# Altium PCB CoinCraftA1.PcbDoc (part 7 of 7)
Units mm, origin at the board's own origin, x right, y up, seen from the top; angles counter-clockwise.
Board outline 90.25 x 131.5 mm, 4 copper layers (Top Layer, Mid-Top Layer, Mid-Bottom Layer, Bottom Layer); 807 components, 132 nets, 2141 pads, 3703 vias.
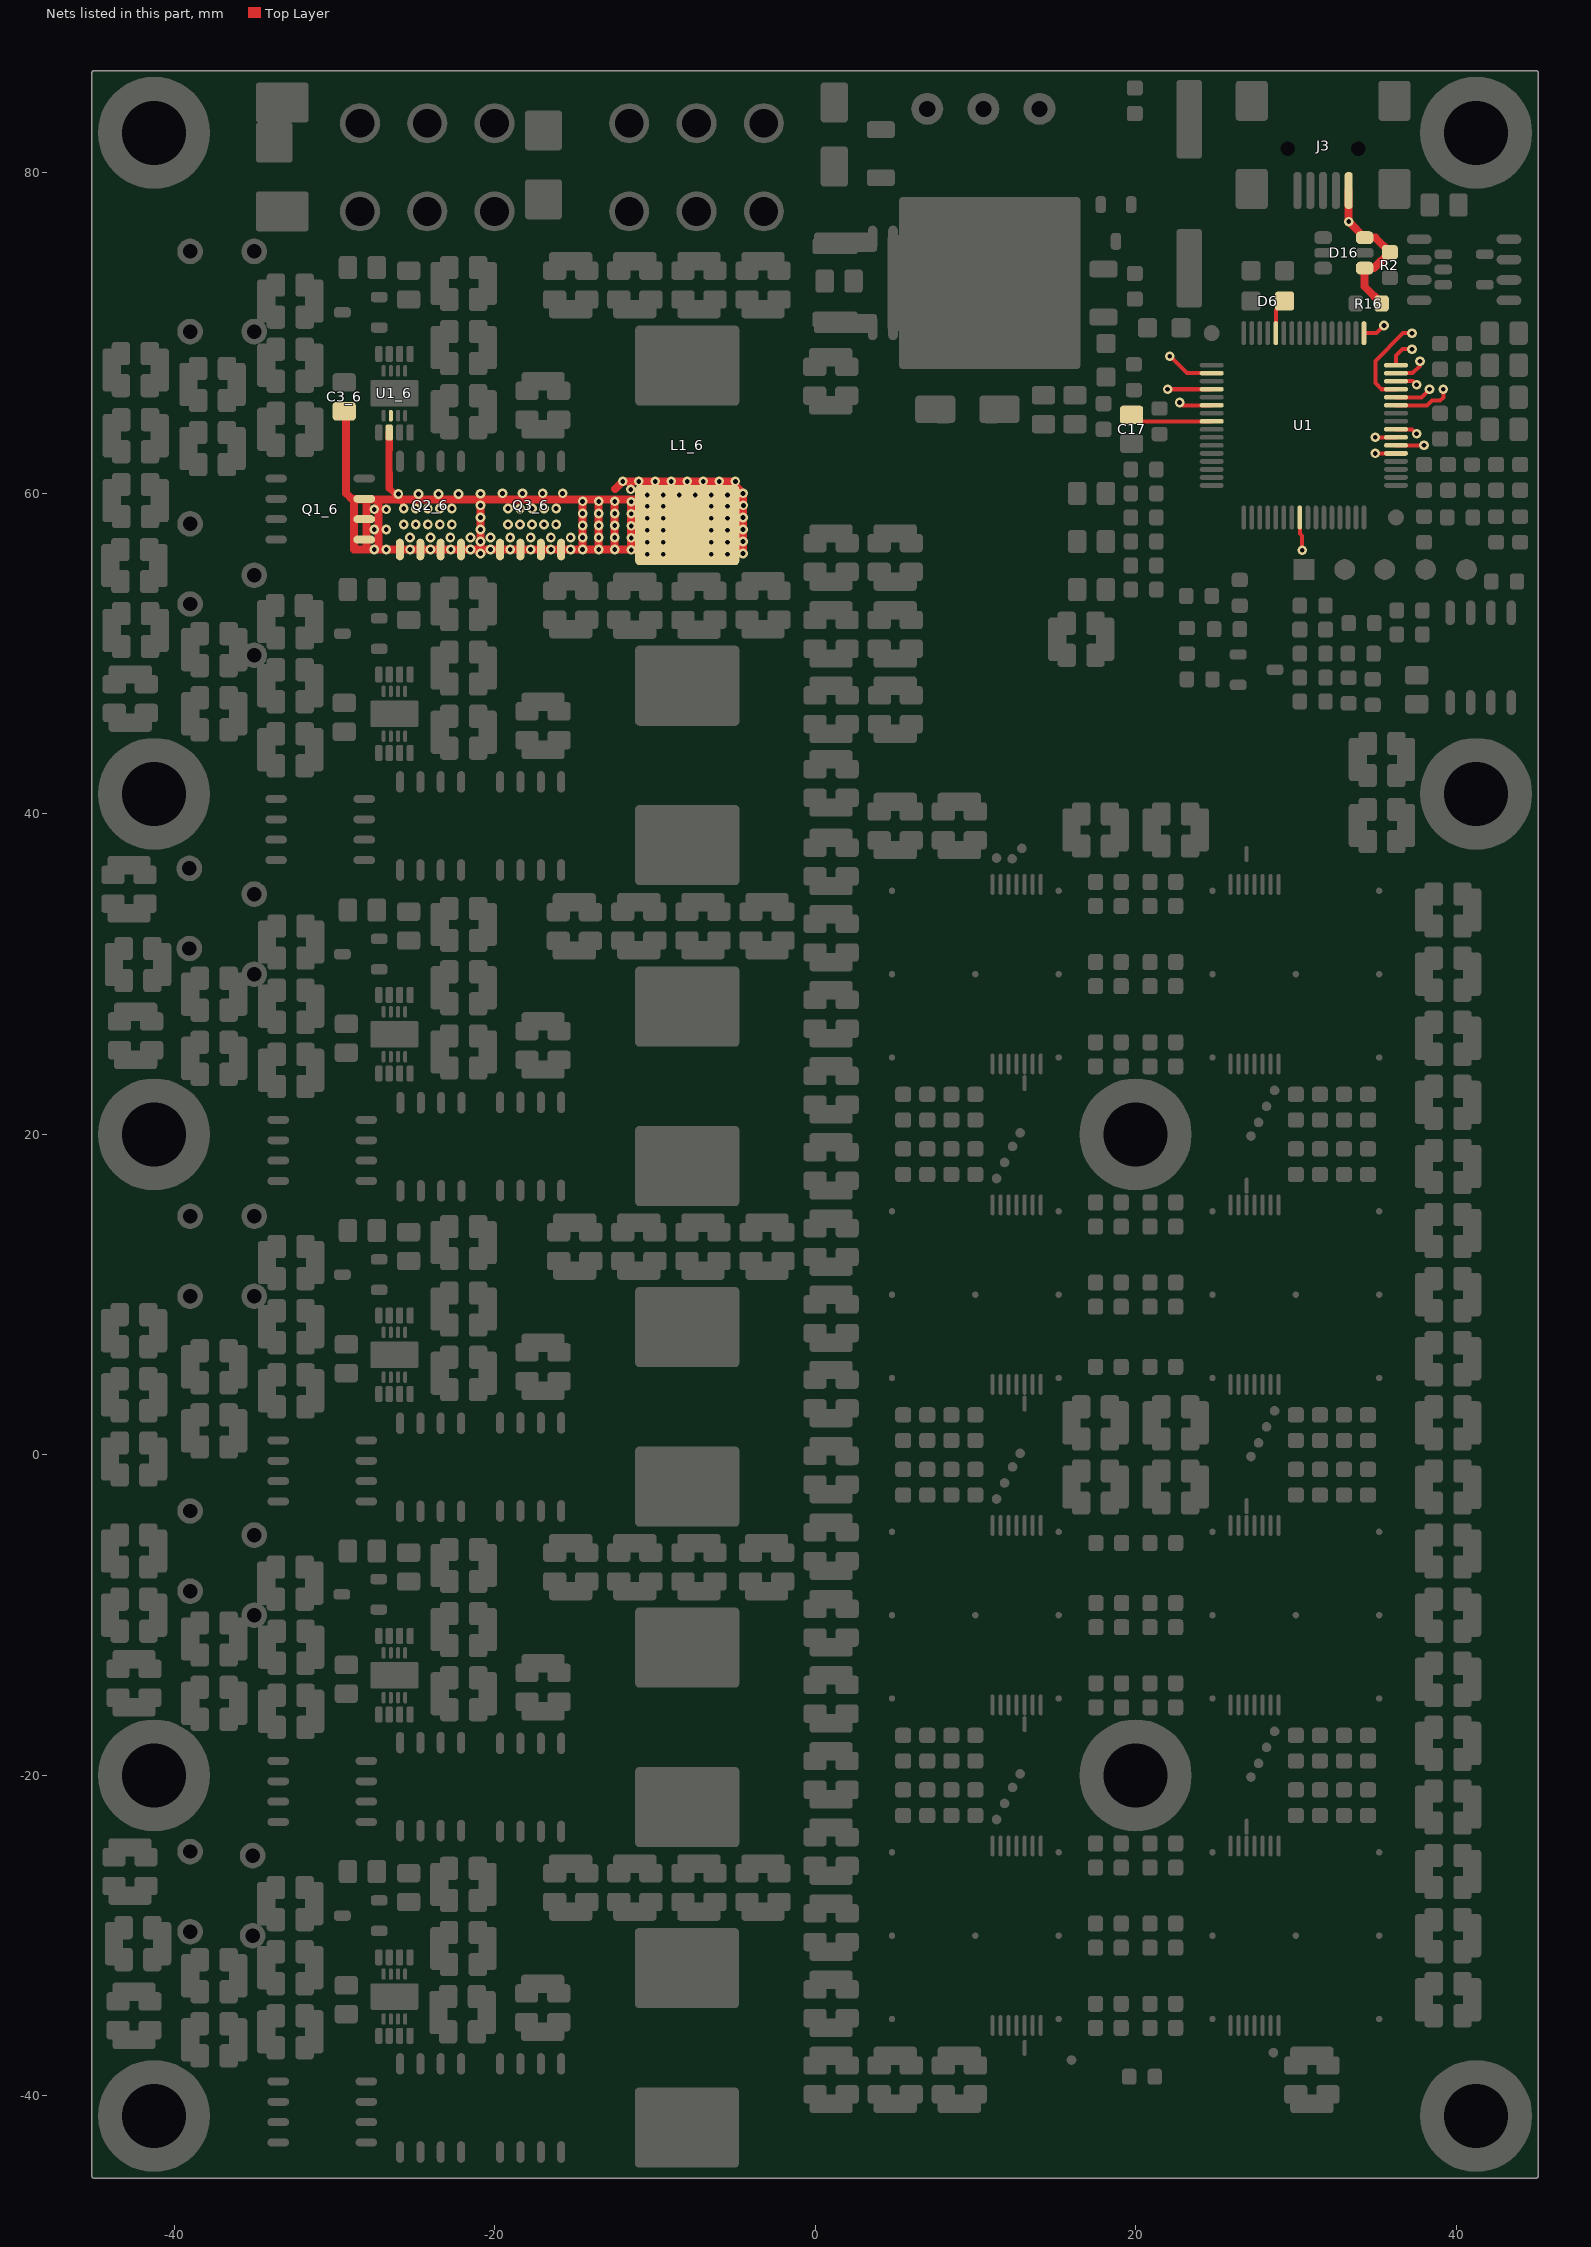
[diagram p9: the nets of this part, all layers, seen from the top]

## Via types
v1: diameter 0.6, hole 0.3, Top Layer to Bottom Layer, tented both sides, 3703 vias

## Nets (pads, with @x,y where several pads share a name; then routed paths per layer and width w, separated by ;. In a path a pad name is that pad's centre, name@x,y a point inside that pad or via, vN(x,y) a via of type N, cw(c..) or ccw(c..) an arc to the next point about the centre after c; other vN are vias at no path point) (continued)
SWN6: C3_6.2 L1_6.1 Q1_6.1 Q1_6.2 Q1_6.3 Q2_6.5 Q2_6.6 Q2_6.7 Q2_6.8 Q3_6.5 Q3_6.6 Q3_6.7 Q3_6.8 U1_6.2 | length 119.1
  Top Layer w0.4: -26.575,60.325 -25.75,59.5 ; -25.94,59.635 -25.755,59.45
  Top Layer w0.45: C3_6.2@-29.382,65.125 -29.257,65 C3_6.2@-29.25,64.993 ; -26.575,60.325 -26.575,61.29 -26.58,61.295 -26.58,62.705 -26.575,62.71 U1_6.2@-26.575,63.8
  Top Layer w0.5: C3_6.2@-29.257,65 -29.257,60.007 -28.91,59.66 Q1_6.3@-28.132,59.66 ; v1@-27.255,56.655 -27.255,59.635 ; -12.475,60.275 v1(-12,60.75) v1(-9.975,60.75) v1(-8.975,60.75) v1(-7.975,60.75) v1(-6.975,60.75) v1(-5.975,60.75) -5.25,60.75 v1(-4.5,60) v1(-4.5,58.5) v1(-4.5,57.75) v1(-4.5,57) v1(-4.5,56.25) L1_6.1@-6.2,56.25 ; v1@-11.505,56.5 v1(-12.505,56.5) ; v1@-11.505,59.635 v1@-12.505,59.635 ; v1(-10.475,56.2) L1_6.1@-10.475,59.335 ; L1_6.1@-9.585,59.61 -11.475,59.61 v1(-11.475,56.475) L1_6.1@-9.5,56.475 ; v1(-9.475,56.2) L1_6.1@-9.475,59.335 ; v1(-9.475,59.9) v1(-8.475,59.9) v1(-7.475,59.9) v1(-6.475,59.9) v1(-5.475,59.9) ; v1(-6.475,56.2) L1_6.1@-6.475,59.335 ; v1(-5.475,56.2) L1_6.1@-5.475,59.335 ; -28.005,56.5 -28.783,56.5 -28.783,59.635 Q1_6.3@-28.005,59.635 ; -28.005,56.5 -28.005,57.095 -28.005,58.365 Q1_6.3@-28.005,59.635 ; -28.005,56.5 Q2_6.5@-25.905,56.5 Q2_6.6@-24.635,56.5 Q2_6.7@-23.365,56.5 Q2_6.8@-22.095,56.5 v1@-20.877,56.5 ; Q1_6.3@-28.005,59.635 -27.255,59.635 ; -27.255,59.635 -25.94,59.635 -20.877,59.635 ; v1@-20.877,56.5 -19.66,56.5 -18.39,56.5 -17.12,56.5 -15.85,56.5 v1(-14.505,56.5) ; v1@-20.877,56.5 -20.877,59.635 ; -20.877,59.635 v1@-14.505,59.635 ; v1(-14.505,56.5) v1(-13.505,56.5) ; v1(-14.505,56.5) v1@-14.505,59.635 ; v1@-14.505,59.635 v1@-13.505,59.635 ; v1(-13.505,56.5) v1(-12.505,56.5) ; v1(-13.505,56.5) v1@-13.505,59.635 ; v1@-13.505,59.635 v1@-12.505,59.635 ; v1(-12.505,56.5) v1@-12.505,59.635 ; L1_6.1@-7.975,58.025 L1_6.1@-6.2,56.25 ; L1_6.1@-7.975,58.025 -9.5,56.5 L1_6.1@-7.975,58.025 ; L1_6.1@-7.975,58.025 -9.585,59.635 L1_6.1@-7.975,58.025 ; L1_6.1@-7.975,58.025 L1_6.1@-6.2,56.25
  other v1: -20.877,56.25 -27.505,56.5 -26.755,56.5 -25.27,56.5 -24,56.5 -22.73,56.5 -21.505,56.5 -20.255,56.5 -19.025,56.5 -17.755,56.5 -16.485,56.5 -15.255,56.5 -10.475,56.95 -9.475,56.95 -6.475,56.95 -5.475,56.95 -20.877,57 -11.475,57.225 -25.28,57.25 -24,57.25 -22.755,57.25 -21.505,57.25 -20.255,57.25 -19.025,57.25 -17.755,57.25 -16.485,57.25 -15.255,57.25 -14.505,57.25 -13.505,57.25 -12.505,57.25 -10.475,57.7 -9.475,57.7 -6.475,57.7 -5.475,57.7 -27.505,57.75 -26.755,57.75 -20.877,57.75 -11.475,57.975 -14.505,58 -13.505,58 -12.505,58 -25.663,58.058 -24.913,58.058 -24.163,58.058 -23.413,58.058 -22.663,58.058 -19.163,58.058 -18.413,58.058 -17.663,58.058 -16.913,58.058 -16.163,58.058 -10.475,58.45 -9.475,58.45 -6.475,58.45 -5.475,58.45 -20.877,58.5 -11.475,58.725 -14.505,58.75 -13.505,58.75 -12.505,58.75 -27.505,59 -26.755,59 -25.663,59.058 -24.913,59.058 -24.163,59.058 -23.413,59.058 -22.663,59.058 -19.163,59.058 -18.413,59.058 -17.663,59.058 -16.913,59.058 -16.163,59.058 -10.475,59.2 -9.475,59.2 -6.475,59.2 -5.475,59.2 -20.877,59.25 -4.475,59.25 -11.475,59.475 -14.505,59.5 -13.505,59.5 -12.505,59.5 -10.475,59.9 -26,59.964 -24.75,59.964 -23.5,59.964 -22.25,59.964 -20.877,59.982 -19.505,60 -18.255,60 -17.005,60 -15.755,60 -11.5,60.25 -11,60.75 -4.975,60.75
TP1: U1.54 | length 2.1
  Top Layer w0.25: v1(22.75,65.675) 22.925,65.5 U1.54@24.75,65.5
TP3: U1.52 | length 2.7
  Top Layer w0.25: v1(22,66.5) U1.52@24.75,66.5
TP5: U1.50 | length 3.1
  Top Layer w0.25: v1(22.138,68.562) 23.2,67.5 U1.50@24.75,67.5
TP8: U1.33 | length 1.4
  Top Layer w0.25: U1.33@34.25,70 35.025,70 v1(35.5,70.475)
TP9: U1.30 | length 1.4
  Top Layer w0.25: U1.30@36.25,67 37.313,67 v1(37.538,66.775)
TP10: U1.29 | length 5.8
  Top Layer w0.25: U1.29@36.25,66.5 35.341,66.5 34.957,66.884 34.957,68.257 36.7,70 v1(37.25,70)
TP11: U1.28 | length 2.3
  Top Layer w0.25: U1.28@36.25,66 37.841,66 v1(38.341,66.5)
TP12: U1.27 | length 3.7
  Top Layer w0.25: U1.27@36.25,65.5 38.182,65.5 38.482,65.8 39,65.8 39.2,66 v1(39.2,66.5)
TP13: U1.24 | length 1.4
  Top Layer w0.25: U1.24@36.25,64 37.263,64 v1(37.538,63.725)
TP14: U1.23 | length 1.3
  Top Layer w0.25: v1(34.957,63.5) U1.23@36.25,63.5
TP15: U1.22 | length 1.8
  Top Layer w0.25: U1.22@36.25,63 v1(38,63)
TP16: U1.21 | length 1.3
  Top Layer w0.25: v1(34.957,62.5) U1.21@36.25,62.5
TP17: U1.8 | length 2.1
  Top Layer w0.25: U1.8@30.25,58.5 30.25,57.5 30.4,57.35 v1(30.4,56.45)
U2RX: U1.31 | length 2
  Top Layer w0.25: U1.31@36.25,67.5 37.288,67.5 37.75,67.962 v1(37.75,68.25)
U2TX: U1.32 | length 1.8
  Top Layer w0.25: U1.32@36.25,68 36.25,68.608 36.642,69 v1(37.25,69)
USB5.0V: D16.4 D16.6 J3.1 R2.2 R16.2 | length 9.9
  Top Layer w0.5: J3.1@33.3,78.9 v1(33.3,76.96) D16.6@34.3,75.96 34.957,75.96 R2.2@35.867,75.05 34.877,74.06 D16.4@34.3,74.06 34.3,72.9 R16.2@35.35,71.85
VCAP: C17.1 U1.56 | length 5.3
  Top Layer w0.25: C17.1@19.75,64.9 19.75,64.589 19.839,64.5 U1.56@24.75,64.5
YELLOW: D6.2 U1.44 | length 2.2
  Top Layer w0.25: U1.44@28.75,70 28.75,71.45 D6.2@29.3,72
pads on no net: J3.4 J3.10 J3.11 U1.65 U1.66 U19.2 U19.3 U19.4 U24.2 U24.3 U24.4

## Polygon pours and split planes (outlines as drawn)
0.8V on Mid-Top Layer "0.8V" (solid, remove dead copper, pour order 134): -28.166,72.194 45.394,72.194 45.5,72.3 45.4,72.2 45.4,-45.5 -27.9,-45.5
12VF6 on Mid-Top Layer "12F6" (solid, remove dead copper, pour order 101): -27.909,54.648 -27.934,54.625 -34.609,54.625 -34.609,62.625 -27.909,62.625
12VF5 on Mid-Top Layer "12F5" (solid, remove dead copper, pour order 100): -27.909,34.648 -27.934,34.625 -34.609,34.625 -34.609,42.625 -27.909,42.625
12VF1 on Mid-Top Layer "12F1" (solid, remove dead copper, pour order 96): -27.776,-45.377 -27.801,-45.4 -34.476,-45.4 -34.476,-37.4 -27.776,-37.4
12VF2 on Mid-Top Layer "12F2" (solid, remove dead copper, pour order 97): -27.776,-25.377 -27.801,-25.4 -34.476,-25.4 -34.476,-17.4 -27.776,-17.4
12VF3 on Mid-Top Layer "12F3" (solid, remove dead copper, pour order 98): -27.776,-5.377 -27.801,-5.4 -34.476,-5.4 -34.476,2.6 -27.776,2.6
12VF4 on Mid-Top Layer "12F4" (solid, remove dead copper, pour order 99): -27.776,14.623 -27.801,14.6 -34.476,14.6 -34.476,22.6 -27.776,22.6
GND on Mid-Top Layer "GND MidTop" (solid, remove dead copper, pour order 127): -29.787,-44.911 ccw(c-29.661,-44.911) -29.661,-45.037 45,-45.125 ccw(c45,-45) 45.125,-45 45.125,86.25 ccw(c45,86.25) 45,86.375 8.25,86.25 -29.75,86.5 -29.75,73.5 -29.661,72.537 ccw(c-29.661,72.411) -29.787,72.411
12V on Mid-Top Layer "12V MidTop PS" (solid, remove dead copper, pour order 126): 8.25,86.25 8.25,77.75 5.232,74.75 -21.25,74.75 -23.5,72.5 -29.25,72.5 -29.25,-45.5 -45.5,-45.5 -45.5,86.25
SWN6 on Mid-Top Layer "SWN6 MidTop" (solid, remove dead copper, pour order 90): -4.25,55.5 -4.25,61 -27.757,61 -27.75,60.992 -27.75,55.5
SWN5 on Mid-Top Layer "SWN5 MidTop" (solid, remove dead copper, pour order 91): -4.25,35.5 -4.25,41 -27.807,41 -27.8,40.992 -27.8,35.5
SWN4 on Mid-Top Layer "SWN4 MidTop" (solid, remove dead copper, pour order 92): -4.25,15.475 -4.25,21 -27.792,21 -27.785,20.992 -27.785,15.475
SWN3 on Mid-Top Layer "SWN3 MidTop" (solid, remove dead copper, pour order 93): -4.25,-4.525 -4.25,1 -27.785,1 -27.778,0.992 -27.778,-4.525
SWN2 on Mid-Top Layer "SWN2 MidTop" (solid, remove dead copper, pour order 94): -4.25,-24.45 -4.25,-19 -27.75,-19 -27.743,-19.008 -27.743,-24.45
SWN1 on Mid-Top Layer "SWN1 MidTop" (solid, remove dead copper, pour order 95): -4.25,-44.5 -4.25,-38.9 -27.725,-38.9 -27.718,-38.908 -27.718,-44.5
0.8V on Bottom Layer "0.8V" (solid, remove dead copper, pour order 133): -28.166,72.194 45.394,72.194 45.5,72.3 45.4,72.2 45.4,-45.5 -27.9,-45.5
SWN6 on Bottom Layer "SWN6 Bottom" (solid, remove dead copper, pour order 102): -4.25,55.5 -4.25,61 -27.807,61 -27.8,60.992 -27.8,55.5
SWN5 on Bottom Layer "SWN5 Bottom" (solid, remove dead copper, pour order 103): -4.25,35.5 -4.25,41 -27.807,41 -27.8,40.992 -27.8,35.5
SWN4 on Bottom Layer "SWN4 Bottom" (solid, remove dead copper, pour order 104): -4.25,15.475 -4.25,21 -27.793,21 -27.786,20.992 -27.786,15.475
SWN3 on Bottom Layer "SWN3 Bottom" (solid, remove dead copper, pour order 105): -4.25,-4.525 -4.25,1 -27.786,1 -27.779,0.992 -27.779,-4.525
SWN2 on Bottom Layer "SWN2 Bottom" (solid, remove dead copper, pour order 106): -4.25,-24.45 -4.25,-19 -27.779,-19 -27.772,-19.008 -27.772,-24.45
SWN1 on Bottom Layer "SWN1 Bottom" (solid, remove dead copper, pour order 107): -4.247,-44.55 -4.247,-38.9 -27.769,-38.9 -27.762,-38.908 -27.762,-44.55
12VF6 on Bottom Layer "12F6" (solid, remove dead copper, pour order 74): -27.8,54.623 -27.825,54.6 -34.5,54.6 -34.5,62.6 -27.8,62.6
12VF5 on Bottom Layer "12F5" (solid, remove dead copper, pour order 73): -27.8,34.615 -27.825,34.592 -34.5,34.592 -34.5,42.592 -27.8,42.592
12VF4 on Bottom Layer "12F4" (solid, remove dead copper, pour order 72): -27.776,14.623 -27.801,14.6 -34.476,14.6 -34.476,22.6 -27.776,22.6
12VF3 on Bottom Layer "12F3" (solid, remove dead copper, pour order 71): -27.779,-5.385 -27.804,-5.408 -34.479,-5.408 -34.479,2.592 -27.779,2.592
12VF2 on Bottom Layer "12F2" (solid, remove dead copper, pour order 70): -27.763,-25.377 -27.788,-25.4 -34.463,-25.4 -34.463,-17.4 -27.763,-17.4
12VF1 on Bottom Layer "12F1" (solid, remove dead copper, pour order 69): -27.762,-45.285 -27.787,-45.308 -34.462,-45.308 -34.462,-37.308 -27.762,-37.308
GND on Bottom Layer "GND Bottom" (solid, remove dead copper, pour order 128): -45.125,-45 ccw(c-45,-45) -45,-45.125 45,-45.125 ccw(c45,-45) 45.125,-45 45.125,86.25 ccw(c45,86.25) 45,86.375 -45,86.375 ccw(c-45,86.25) -45.125,86.25
12VF6 on Mid-Bottom Layer "12F6" (solid, remove dead copper, pour order 120): -27.909,54.648 -27.934,54.625 -34.609,54.625 -34.609,62.625 -27.909,62.625
12VF5 on Mid-Bottom Layer "12F5" (solid, remove dead copper, pour order 118): -27.909,34.648 -27.934,34.625 -34.609,34.625 -34.609,42.625 -27.909,42.625
12VF4 on Mid-Bottom Layer "12F4" (solid, remove dead copper, pour order 117): -27.776,14.623 -27.801,14.6 -34.476,14.6 -34.476,22.6 -27.776,22.6
12VF3 on Mid-Bottom Layer "12F3" (solid, remove dead copper, pour order 116): -27.776,-5.377 -27.801,-5.4 -34.476,-5.4 -34.476,2.6 -27.776,2.6
12VF2 on Mid-Bottom Layer "12F2" (solid, remove dead copper, pour order 115): -27.776,-25.377 -27.801,-25.4 -34.476,-25.4 -34.476,-17.4 -27.776,-17.4
12VF1 on Mid-Bottom Layer "12F1" (solid, remove dead copper, pour order 114): -27.776,-45.377 -27.801,-45.4 -34.476,-45.4 -34.476,-37.4 -27.776,-37.4
0.8V on Mid-Bottom Layer "0.8V MidBottom" (solid, remove dead copper, pour order 129): 45.5,-45.5 -21.75,-45.5 -21.75,-38.75 -14.5,-38.75 -14.5,-36.75 -21.75,-36.75 -21.75,-18.75 -14.25,-18.75 -14.25,-16.75 -21.75,-16.75 -21.75,1.25 -14.25,1.25 -14.25,3.25 -21.75,3.25 -21.75,21.25 -14,21.25 -14,23.25 -21.75,23.25 -21.75,41.25 -14.305,41.222 -14.25,43.25 -21.75,43.25 -21.75,61.25 -14.75,61.25 -14.75,63.25 -21.75,63.25 -21.75,72.75 45.5,72.75
GND on Mid-Bottom Layer "GND MiddleBottom" (solid, pour order 131): -45.125,-45 ccw(c-45,-45) -45,-45.125 45,-45.125 ccw(c45,-45) 45.125,-45 45.125,86.25 ccw(c45,86.25) 45,86.375 -45,86.375 ccw(c-45,86.25) -45.125,86.25
12V on Mid-Bottom Layer "12V MidBottom" (solid, remove dead copper, pour order 130): -27.75,-45.5 -27.5,-45.25 -27.5,72.75 -2.6,72.75 -0.35,75 -0.35,86.65 -0.25,86.75 -45.5,86.75 -45.5,-45.5
SWN5 on Mid-Bottom Layer "SWN5 MidBottom" (solid, remove dead copper, pour order 108): -4.25,35.5 -4.25,41 -27.807,41 -27.8,40.992 -27.8,35.5
SWN4 on Mid-Bottom Layer "SWN4 MidBottom" (solid, remove dead copper, pour order 109): -4.25,15.475 -4.25,21 -27.793,21 -27.786,20.992 -27.786,15.475
SWN3 on Mid-Bottom Layer "SWN3 MidBottom" (solid, remove dead copper, pour order 110): -4.25,-4.525 -4.25,1 -27.786,1 -27.779,0.992 -27.779,-4.525
SWN2 on Mid-Bottom Layer "SWN2 MidBottom" (solid, remove dead copper, pour order 111): -4.25,-24.45 -4.25,-19 -27.779,-19 -27.772,-19.008 -27.772,-24.45
SWN1 on Mid-Bottom Layer "SWN1 MidBottom" (solid, remove dead copper, pour order 112): -4.272,-44.525 -4.272,-38.925 -27.794,-38.925 -27.787,-38.933 -27.787,-44.525
SWN6 on Mid-Bottom Layer "SWN6 MidBottom" (solid, remove dead copper, pour order 113): -4.25,55.5 -4.25,61 -27.807,61 -27.8,60.992 -27.8,55.5
GND on Top Layer "GND Top PS" (solid, remove dead copper, pour order 132): -45.5,-45.5 3.8,-45.5 3.8,79.459 2.935,80.209 -34.224,80.209 -35.986,81.737 -35.986,86.8 -45.442,86.8 -45.5,86.75
12VF3 on Top Layer "12VF3 Top" (solid, remove dead copper, pour order 79): -29.65,2 -33,2 -33,13.4 -35.3,13.4 -37.8,10.9 -41.5,10.9 -42.567,9.6 -42.5,3.9 -42.5,-1.7 -39.9,-1.8 -37.25,-4.5 -29.65,-4.5
12VF6 on Top Layer "12VF6 Top" (solid, remove dead copper, pour order 76): -29.75,62 -33,62 -33,73.6 -35.7,73.6 -35.7,71.1 -39.9,71.1 -42.4,68.6 -42.415,67.725 -42.4,63.225 -42.4,58.1 -39,58.1 -36.5,55.5 -29.75,55.525
0.8V on Top Layer "0.8V Top ASIC" (solid, remove dead copper, pour order 75): 45.5,-45.5 -2.75,-45.5 -2.75,73 -1.25,73 -1.25,72.25 -0.5,71.5 -0.5,70 -0.25,69.75 2.75,69.75 9.025,63.475 13.25,63.475 13.25,60.934 14.7,59.484 14.75,59.434 14.75,53 23.925,53 25.4,51.525 25.543,51.382 25.543,46.518 26.311,45.75 29.25,45.75 43.5,45.75 45.5,43.75 45.5,-45.5
0.8V on Top Layer "0.8V Top 6" (solid, remove dead copper, pour order 85): -21.725,63.25 -20.253,63.25 -19.475,65.75 -14.975,65.75 -13.725,64.5 -13.725,61.25 -3.975,61.25 -3.975,55.5 -1.225,55.5 -1.225,72.75 -19.725,72.75 -19.725,75 -21.725,75
SWN1 on Top Layer "SWN1 Top" (solid, remove dead copper, pour order 119): -4.75,-44.5 -4.75,-39.5 -29.25,-39.5 -29.243,-39.507 -29.243,-44.5
SWN2 on Top Layer "SWN2 Top" (solid, remove dead copper, pour order 121): -4.75,-24.45 -4.75,-19.45 -29.25,-19.45 -29.243,-19.457 -29.243,-24.45
SWN3 on Top Layer "SWN3 Top" (solid, remove dead copper, pour order 122): -4.75,-4.525 -4.75,0.475 -29.25,0.475 -29.243,0.468 -29.243,-4.525
SWN4 on Top Layer "SWN4 Top" (solid, remove dead copper, pour order 123): -4.725,15.475 -4.725,20.475 -29.225,20.475 -29.218,20.468 -29.218,15.475
SWN5 on Top Layer "SWN5 Top" (solid, remove dead copper, pour order 124): -4.75,35.5 -4.75,40.5 -29.25,40.5 -29.243,40.493 -29.243,35.5
SWN6 on Top Layer "SWN6 Top" (solid, remove dead copper, pour order 125): -4.755,55.5 -4.755,60.5 -29.255,60.5 -29.248,60.493 -29.248,55.5
0.8V on Top Layer "0.8V Top 1" (solid, remove dead copper, pour order 84): -21.75,-36.75 -19.5,-36.75 -19.5,-34.25 -15,-34.25 -13.75,-35.5 -13.75,-38.75 -4,-38.75 -4,-44.5 -1.25,-44.5 -1.25,-27.25 -19.75,-27.25 -19.75,-25 -21.75,-25
0.8V on Top Layer "0.8V Top 5" (solid, remove dead copper, pour order 86): -21.725,43.275 -19.475,43.275 -19.475,45.775 -14.975,45.775 -13.725,44.525 -13.725,41.275 -3.975,41.275 -3.975,35.525 -1.225,35.525 -1.225,52.775 -19.725,52.775 -19.725,55.025 -21.725,55.025
0.8V on Top Layer "0.8V Top 4" (solid, remove dead copper, pour order 87): -21.725,23.25 -19.475,23.25 -19.475,25.75 -14.975,25.75 -13.725,24.5 -13.725,21.25 -3.975,21.25 -3.975,15.5 -1.225,15.5 -1.225,32.75 -19.725,32.75 -19.725,35 -21.725,35
0.8V on Top Layer "0.8V Top 3" (solid, remove dead copper, pour order 88): -21.725,3.25 -19.475,3.25 -19.475,5.75 -14.975,5.75 -13.725,4.5 -13.725,1.25 -3.975,1.25 -3.975,-4.5 -1.225,-4.5 -1.225,12.75 -19.725,12.75 -19.725,15 -21.725,15
0.8V on Top Layer "0.8V Top 2" (solid, remove dead copper, pour order 89): -21.725,-16.75 -19.475,-16.75 -19.475,-14.25 -14.975,-14.25 -13.725,-15.5 -13.725,-18.75 -3.975,-18.75 -3.975,-24.5 -1.225,-24.5 -1.225,-7.25 -19.725,-7.25 -19.725,-5 -21.725,-5
12VF2 on Top Layer "12VF2 Top 2" (solid, remove dead copper, pour order 82): -44.5,-14.75 -44.5,-3.714 -40,-3.714 -40,-6.714 -40,-14.75
12VF1 on Top Layer "12VF1 Top 2" (solid, remove dead copper, pour order 83): -44.5,-37.5 -44.5,-26.5 -40,-26.5 -40,-37.5
12VF5 on Top Layer "12VF5 Top" (solid, remove dead copper, pour order 78): -29.782,42.025 -33.132,42.025 -33,55.5 -44.5,55.5 -44.5,52.5 -42.25,52.5 -42.25,45 -40,45 -40,52.25 -37.5,52.25 -37.382,35.525 -29.782,35.525
12VF2 on Top Layer "12VF2 Top" (solid, remove dead copper, pour order 80): -29.65,-18 -33,-18 -33,-6.25 -41.5,-6.25 -41.5,-9.5 -37.25,-9.5 -37.25,-24.5 -29.65,-24.5
12VF1 on Top Layer "12VF1 Top" (solid, remove dead copper, pour order 81): -29.65,-38 -33,-38 -33,-26.2 -37.25,-26.25 -41.25,-26.25 -41.25,-30.5 -37.25,-30.5 -37.25,-44.5 -29.65,-44.5
12VF4 on Top Layer "12VF4 Top" (solid, remove dead copper, pour order 68): -29.65,22 -33,22 -33,35.25 -40,35.25 -40,34.5 -44.25,34.5 -44.25,31.5 -42.25,31.5 -42.25,23.775 -40,23.75 -40,30.75 -37.5,30.75 -37.5,15.525 -29.65,15.5
12V on Top Layer "12V Top Input" (solid, remove dead copper, pour order 77): 18,86.25 18,79 0,79 -0.5,78.5 -1,79 -36,79 -37.25,80.25 -37.25,86.25

## Keep-outs
Keep-Out Layer:
  lines w0.25: -45.5,-3.5 -45.5,86.8 45.5,86.8 45.5,-3.5 ; -45.5,44.75 -45.5,-45.5 45.5,-45.5 45.5,44.5

## Other copper
Top Layer:
  region net LO1: -26.125,-35.25 -25.9,-35.25 -25.9,-35.625 -25.7,-35.825 -25.7,-36.725 -26.125,-36.725
  region net 5.0V: -26.375,-32.35 -26.6,-32.35 -26.6,-31.975 -26.8,-31.775 -26.8,-30.875 -26.375,-30.875
  region net DRVLOGIC: -26.125,-32.35 -25.9,-32.35 -25.9,-31.975 -25.7,-31.775 -25.7,-30.875 -26.125,-30.875
  region net SWN1: -26.375,-35.25 -26.6,-35.25 -26.6,-35.625 -26.8,-35.825 -26.8,-36.725 -26.375,-36.725
  region net BOOT1: -26.85,-32.725 -27.8,-32.725 -27.8,-30.85 -27.225,-30.85 -27.05,-31.075 -27.05,-31.9 -26.85,-32.1
  region net GND: -25.6,-34.175 -24.7,-34.175 -24.7,-36.75 -25.275,-36.75 -25.425,-36.525 -25.425,-35.725 -25.6,-35.55
  region net PWM4H: -25.65,-32.725 -24.7,-32.75 -24.7,-30.85 -25.275,-30.85 -25.45,-31.075 -25.45,-31.9 -25.65,-32.1
  region net HO1: -26.85,-34.85 -27.8,-34.85 -27.8,-36.75 -27.225,-36.75 -27.05,-36.525 -27.05,-35.675 -26.85,-35.475
  region net HO2: -26.85,-14.8 -27.8,-14.8 -27.8,-16.7 -27.225,-16.7 -27.05,-16.475 -27.05,-15.625 -26.85,-15.425
  region net PWM4L: -25.65,-12.675 -24.7,-12.7 -24.7,-10.8 -25.275,-10.8 -25.45,-11.025 -25.45,-11.85 -25.65,-12.05
  region net GND: -25.6,-14.125 -24.7,-14.125 -24.7,-16.7 -25.275,-16.7 -25.425,-16.475 -25.425,-15.675 -25.6,-15.5
  region net BOOT2: -26.85,-12.675 -27.8,-12.675 -27.8,-10.8 -27.225,-10.8 -27.05,-11.025 -27.05,-11.85 -26.85,-12.05
  region net SWN2: -26.375,-15.2 -26.6,-15.2 -26.6,-15.575 -26.8,-15.775 -26.8,-16.675 -26.375,-16.675
  region net DRVLOGIC: -26.125,-12.3 -25.9,-12.3 -25.9,-11.925 -25.7,-11.725 -25.7,-10.825 -26.125,-10.825
  region net 5.0V: -26.375,-12.3 -26.6,-12.3 -26.6,-11.925 -26.8,-11.725 -26.8,-10.825 -26.375,-10.825
  region net LO2: -26.125,-15.2 -25.9,-15.2 -25.9,-15.575 -25.7,-15.775 -25.7,-16.675 -26.125,-16.675
  region net HO3: -26.85,5.2 -27.8,5.2 -27.8,3.3 -27.225,3.3 -27.05,3.525 -27.05,4.375 -26.85,4.575
  region net PWM3H: -25.65,7.325 -24.7,7.3 -24.7,9.2 -25.275,9.2 -25.45,8.975 -25.45,8.15 -25.65,7.95
  region net GND: -25.6,5.875 -24.7,5.875 -24.7,3.3 -25.275,3.3 -25.425,3.525 -25.425,4.325 -25.6,4.5
  region net BOOT3: -26.85,7.325 -27.8,7.325 -27.8,9.2 -27.225,9.2 -27.05,8.975 -27.05,8.15 -26.85,7.95
  region net SWN3: -26.375,4.8 -26.6,4.8 -26.6,4.425 -26.8,4.225 -26.8,3.325 -26.375,3.325
  region net DRVLOGIC: -26.125,7.7 -25.9,7.7 -25.9,8.075 -25.7,8.275 -25.7,9.175 -26.125,9.175
  region net 5.0V: -26.375,7.7 -26.6,7.7 -26.6,8.075 -26.8,8.275 -26.8,9.175 -26.375,9.175
  region net LO3: -26.125,4.8 -25.9,4.8 -25.9,4.425 -25.7,4.225 -25.7,3.325 -26.125,3.325
  region net HO4: -26.85,25.2 -27.8,25.2 -27.8,23.3 -27.225,23.3 -27.05,23.525 -27.05,24.375 -26.85,24.575
  region net PWM3L: -25.65,27.325 -24.7,27.3 -24.7,29.2 -25.275,29.2 -25.45,28.975 -25.45,28.15 -25.65,27.95
  region net GND: -25.6,25.875 -24.7,25.875 -24.7,23.3 -25.275,23.3 -25.425,23.525 -25.425,24.325 -25.6,24.5
  region net BOOT4: -26.85,27.325 -27.8,27.325 -27.8,29.2 -27.225,29.2 -27.05,28.975 -27.05,28.15 -26.85,27.95
  region net SWN4: -26.375,24.8 -26.6,24.8 -26.6,24.425 -26.8,24.225 -26.8,23.325 -26.375,23.325
  region net DRVLOGIC: -26.125,27.7 -25.9,27.7 -25.9,28.075 -25.7,28.275 -25.7,29.175 -26.125,29.175
  region net 5.0V: -26.375,27.7 -26.6,27.7 -26.6,28.075 -26.8,28.275 -26.8,29.175 -26.375,29.175
  region net LO4: -26.125,24.8 -25.9,24.8 -25.9,24.425 -25.7,24.225 -25.7,23.325 -26.125,23.325
  region net LO6: -26.125,64.8 -25.9,64.8 -25.9,64.425 -25.7,64.225 -25.7,63.325 -26.125,63.325
  region net 5.0V: -26.375,67.7 -26.6,67.7 -26.6,68.075 -26.8,68.275 -26.8,69.175 -26.375,69.175
  region net DRVLOGIC: -26.125,67.7 -25.9,67.7 -25.9,68.075 -25.7,68.275 -25.7,69.175 -26.125,69.175
  region net SWN6: -26.375,64.8 -26.6,64.8 -26.6,64.425 -26.8,64.225 -26.8,63.325 -26.375,63.325
  region net BOOT6: -26.85,67.325 -27.8,67.325 -27.8,69.2 -27.225,69.2 -27.05,68.975 -27.05,68.15 -26.85,67.95
  region net GND: -25.6,65.875 -24.7,65.875 -24.7,63.3 -25.275,63.3 -25.425,63.525 -25.425,64.325 -25.6,64.5
  region net PWM2L: -25.65,67.325 -24.7,67.3 -24.7,69.2 -25.275,69.2 -25.45,68.975 -25.45,68.15 -25.65,67.95
  region net HO6: -26.85,65.2 -27.8,65.2 -27.8,63.3 -27.225,63.3 -27.05,63.525 -27.05,64.375 -26.85,64.575
  region net HO5: -26.85,45.2 -27.8,45.2 -27.8,43.3 -27.225,43.3 -27.05,43.525 -27.05,44.375 -26.85,44.575
  region net PWM2H: -25.65,47.325 -24.7,47.3 -24.7,49.2 -25.275,49.2 -25.45,48.975 -25.45,48.15 -25.65,47.95
  region net GND: -25.6,45.875 -24.7,45.875 -24.7,43.3 -25.275,43.3 -25.425,43.525 -25.425,44.325 -25.6,44.5
  region net BOOT5: -26.85,47.325 -27.8,47.325 -27.8,49.2 -27.225,49.2 -27.05,48.975 -27.05,48.15 -26.85,47.95
  region net SWN5: -26.375,44.8 -26.6,44.8 -26.6,44.425 -26.8,44.225 -26.8,43.325 -26.375,43.325
  region net DRVLOGIC: -26.125,47.7 -25.9,47.7 -25.9,48.075 -25.7,48.275 -25.7,49.175 -26.125,49.175
  region net 5.0V: -26.375,47.7 -26.6,47.7 -26.6,48.075 -26.8,48.275 -26.8,49.175 -26.375,49.175
  region net LO5: -26.125,44.8 -25.9,44.8 -25.9,44.425 -25.7,44.225 -25.7,43.325 -26.125,43.325

## Silkscreen, mask and mechanical layers (free items; w line width, h text height)
Top Overlay:
  drawing of 43 lines, arcs and shapes, not listed
Bottom Solder:
  region: 15.8,-36.3 15.8,-24.2 3.2,-24.2 3.2,-36.3
  region: 15.8,-15.8 15.8,-4.2 3.2,-4.2 3.2,-15.8
  region: 15.8,4.2 15.8,15.8 3.2,15.8 3.2,4.2
  region: 15.8,24.2 15.8,36.5 3.2,36.5 3.2,24.2
  region: 24.2,24.2 36.8,24.2 36.8,35.8 24.2,35.8
  region: 24.2,4.2 36.8,4.2 36.8,15.8 24.2,15.8
  region: 24.2,-15.8 36.8,-15.8 36.8,-4.2 24.2,-4.2
  region: 24.2,-35.8 36.8,-35.8 36.8,-24.2 24.2,-24.2
Bott Glue:
  region: 16,24 16,36.7 3,36.7 3,24
  region: 24,24 37,24 37,36 24,36
  region: 24,4 37,4 37,16 24,16
  region: 16,4 16,16 3,16 3,4
  region: 16,-16 16,-4 3,-4 3,-16
  region: 24,-16 37,-16 37,-4 24,-4
  region: 24,-36 37,-36 37,-24 24,-24
  region: 16,-36.5 16,-24 3,-24 3,-36.5
  lines w0.5: -45.5,-45.5 -45.5,86.8 45.5,86.8 45.5,-45.5 -45.5,-45.5

## Dimensions
-41.25,-20 to 20,-20 on Top Overlay
-41.25,-41.25 to 41.25,-41.25 on Top Overlay
41.25,82.5 to -41.25,82.5 on Top Overlay
41.25,-41.25 to 41.25,41.25 on Top Overlay
20,20 to 20,-20 on Top Overlay
41.25,82.5 to 41.25,41.25 on Top Overlay

## Text inside footprints (layer, text, board x,y; h text height)
J3: Top Assy "1" at 33.36,80.9 h0.5 r180; Top Assy "5" at 30.217,80.9 h0.5 r180